# Altium PCB Z693_H93-A_KD01_V1.3_X6.PcbDoc (part 3 of 7)
Units mil, origin at the board's own origin, x right, y up, seen from the top; angles counter-clockwise.
Board outline 6229.44 x 4099.52 mil, 4 copper layers (Top Layer, Mid-Layer 1, Mid-Layer 2, Bottom Layer); 1032 components, 62 nets, 3170 pads, 1350 vias.
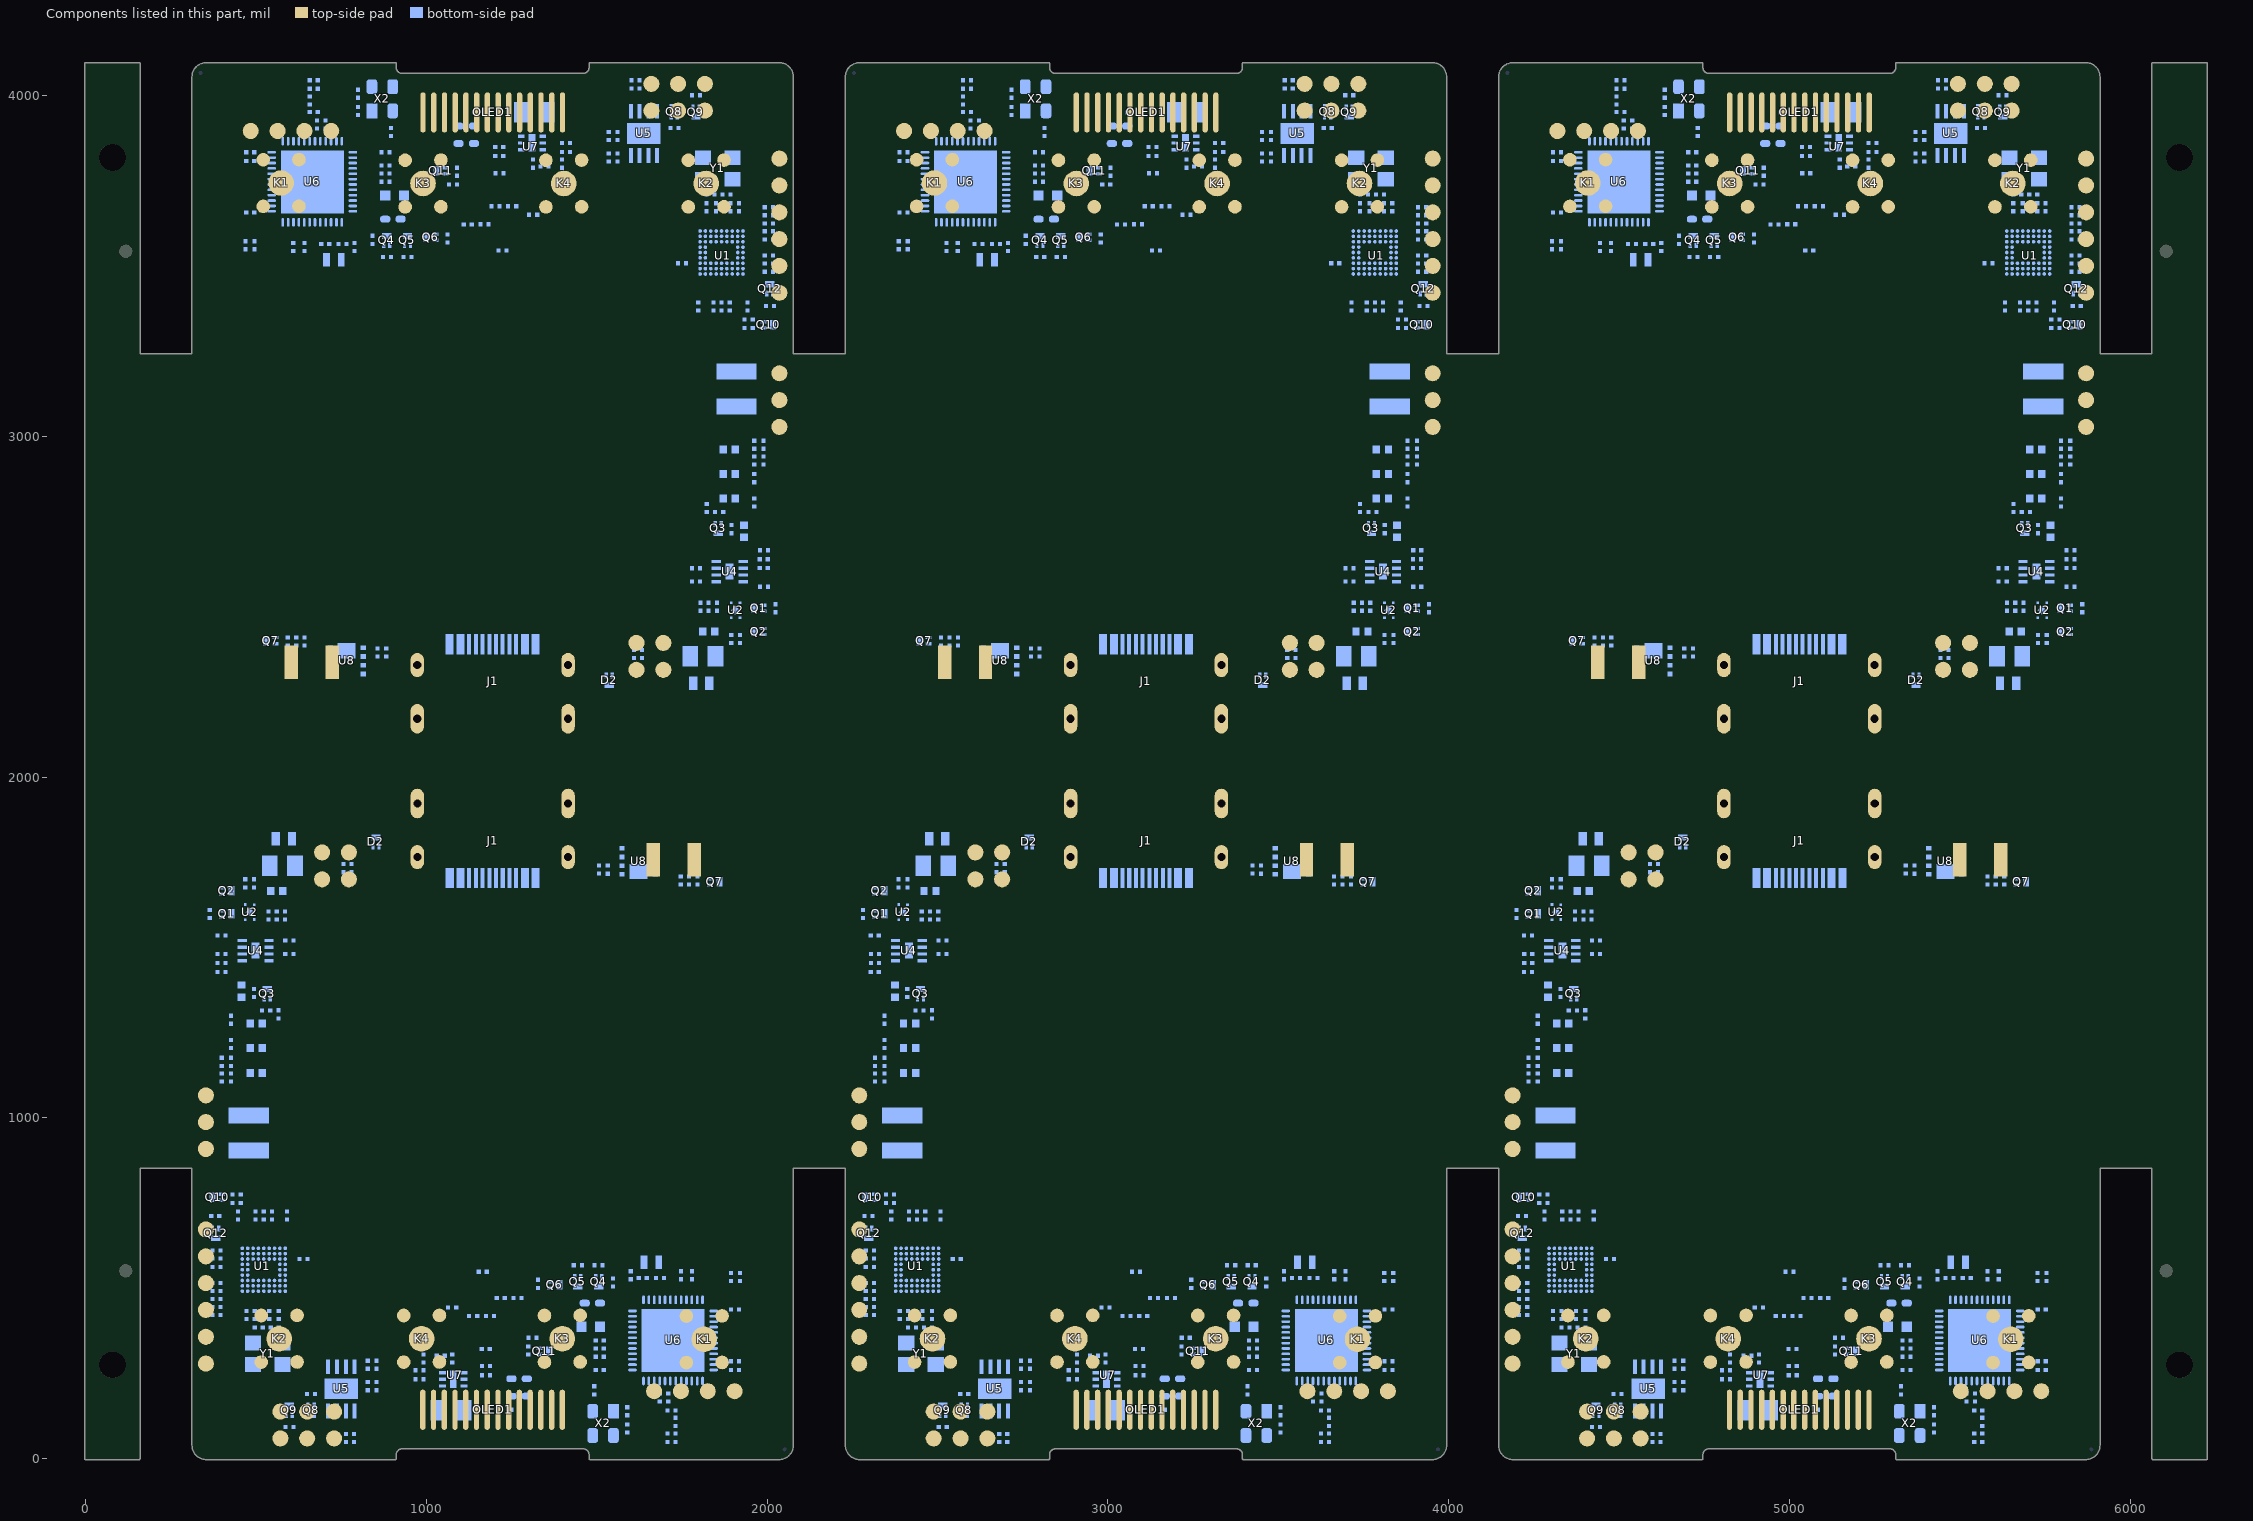
[diagram p5: the components of this part, seen from the top]

## Via types
v1: diameter 15, hole 8, Top Layer to Bottom Layer, tented both sides, 1194 vias
v2: diameter 8, hole 4, Mid-Layer 2 to Bottom Layer, tented bottom, 150 vias
v3: diameter 20, hole 10, Top Layer to Bottom Layer, tented both sides, 6 vias

## Nets (pads, with @x,y where several pads share a name; then routed paths per layer and width w, separated by ;. In a path a pad name is that pad's centre, name@x,y a point inside that pad or via, vN(x,y) a via of type N, cw(c..) or ccw(c..) an arc to the next point about the centre after c; other vN are vias at no path point) (continued)
copper on no net: | length 471246.2
  Top Layer w6: 353.39,279.08 397.13,279.08 459.84,216.38 748.12,216.38 803.39,271.65 803.39,448.07 814.14,458.82 v1(864.8,458.82) ; 353.39,359.74 v1(423.53,429.88) ; 353.39,436.56 353.39,446.56 v1(416.93,510.1) ; 353.39,515.3 364.97,526.88 426.61,526.88 v1(438.59,538.85) ; 353.39,594.04 395.56,551.88 v1(420.77,551.88) ; 353.39,672.78 353.39,670.05 v1(415.88,607.56) ; 353.39,1066.48 390.47,1103.56 v1(483.26,1103.56) 523.39,1063.43 523.39,824.71 627.38,720.72 627.38,664.04 674.05,617.38 906.94,617.38 936.47,587.85 1131.83,587.85 1197.12,522.56 1592.15,522.56 1613.37,543.77 1786.27,543.77 1815.75,514.29 1815.75,350.61 ; v1(358.36,233.9) 425.34,233.9 454.87,204.38 541.88,204.38 ; v1(413.8,711.88) 530.8,711.88 554.3,688.38 554.3,612.11 604.04,562.38 670.91,562.38 704.41,528.88 1173.83,528.88 1192.15,510.56 1597.12,510.56 1618.34,531.77 1768.8,531.77 1784.8,515.77 1784.8,440.27 1763.31,418.78 ; v1(426.8,689.84) 452.83,689.84 480.8,661.88 480.8,627.88 v1(539.01,569.67) 579.77,569.67 610.57,538.88 671.08,538.88 708.95,501.01 888.12,501.01 899.49,512.38 1160.64,512.38 1191.14,481.88 1710.8,481.88 1729.12,500.19 v1(1763.63,500.19) ; v1(478.8,828.88) 502.26,828.88 570.8,760.33 570.8,640.88 606.3,605.38 901.97,605.38 946.57,560.78 v1(1126.96,560.78) ; v1(483.26,1169.94) 535.39,1117.8 535.39,836.05 v1(622.88,748.56) ; v1(498.51,542.58) 498.51,512.88 513.51,497.88 554.8,497.88 573.77,478.91 573.77,443.34 568.26,437.83 568.26,352.1 ; v1(523.26,542.58) 523.26,530.42 538.8,514.88 661.14,514.88 699,477.01 v1(904.43,477.01) ; v1(546.77,542.58) 589.89,542.58 605.6,526.88 666.11,526.88 703.97,489.01 893.09,489.01 899.96,495.88 v1(1060.8,495.88) ; v1(554.39,101.56) 554.39,77.05 571.88,59.56 ; 563.65,3896.49 575.44,3896.49 v1(591.94,3912.99) ; v1@564.88,187.88 650.62,187.88 ; 571.88,138.3 541.88,168.3 541.88,204.38 ; 574.02,3743.88 574.02,3580.2 603.5,3550.72 776.4,3550.72 797.61,3571.93 1192.64,3571.93 1257.93,3506.64 1453.3,3506.64 1482.83,3477.12 1715.72,3477.12 1762.38,3430.45 1762.38,3373.77 1866.37,3269.78 1866.37,3031.06 v1(1906.5,2990.93) 1999.29,2990.93 2036.37,3028.01 ; v1(610.39,3896.49) 642.39,3896.49 ; v1(626.13,3594.3) 660.65,3594.3 678.96,3612.62 1198.63,3612.62 1229.13,3582.12 1490.27,3582.12 1501.64,3593.48 1680.82,3593.48 1718.69,3555.62 1779.2,3555.62 1809.99,3524.82 v1(1850.76,3524.82) 1908.96,3466.62 1908.96,3432.62 1936.93,3404.65 v1(1962.96,3404.65) ; 626.46,3675.71 604.96,3654.22 604.96,3578.72 620.96,3562.72 771.43,3562.72 792.64,3583.93 1197.62,3583.93 1215.93,3565.62 1685.35,3565.62 1718.85,3532.12 1785.73,3532.12 1835.46,3482.38 1835.46,3406.12 1858.96,3382.62 v1(1975.96,3382.62) ; 650.62,138.3 650.62,187.88 ; 729.36,138.3 738.11,129.55 v1(738.11,100.1) ; v1(828.48,244.56) 771.8,187.88 650.62,187.88 ; v1(849.88,146.89) 922.22,74.56 1104.88,74.56 1115.87,85.54 1115.87,143.56 ; v1(854.07,244.56) 837.57,261.06 809.77,261.06 753.09,204.38 541.88,204.38 ; v1(866.38,72.39) 888.22,50.56 1202.88,50.56 1241.85,89.53 1241.85,143.56 ; v1(884.35,89.09) 910.88,62.56 1148.4,62.56 1178.86,93.02 1178.86,143.56 ; v1(962.17,460.51) 986.26,436.42 986.26,352.1 ; 990.5,3742.4 990.5,3658.07 1009.02,3639.56 1065.9,3639.56 1073.97,3647.62 1116.07,3647.62 1144.31,3675.86 v1(1144.31,3753.62) ; v1(997.8,477.01) 1108.67,477.01 1193.3,392.38 1193.3,255.72 1210.35,238.67 1210.35,143.56 ; v1(1012.8,460.51) 1108.2,460.51 1181.3,387.4 1181.3,237.95 1147.36,204 1147.36,143.56 ; v1(1104.88,3529.93) 1104.88,3512.53 v1(1124.76,3492.65) ; v1@1142.13,3753.62 v1@1142.13,3755.79 ; 1147.91,3950.93 1147.91,4004.96 1186.88,4043.93 1501.55,4043.93 v1(1523.38,4022.1) ; 1179.41,3950.93 1179.41,3855.82 1196.46,3838.77 1196.46,3702.12 1281.09,3617.48 v1(1391.96,3617.48) ; 1210.91,3950.93 1210.91,4001.47 1241.36,4031.93 1478.88,4031.93 v1(1505.41,4005.4) ; 1242.4,3950.93 1242.4,3890.49 1208.46,3856.55 1208.46,3707.09 1281.57,3633.98 v1(1376.96,3633.98) ; v1(1245.46,340.88) 1245.46,418.63 1273.7,446.87 1315.8,446.87 1323.86,454.93 1380.75,454.93 1399.26,436.42 1399.26,352.1 ; v1@1247.63,338.7 v1@1247.63,340.88 ; v1(1262.8,3533.72) 1443.2,3533.72 1487.8,3489.12 1783.46,3489.12 1818.96,3453.62 1818.96,3334.16 1887.5,3265.62 v1(1910.96,3265.62) ; v1(1265,601.84) 1284.88,581.96 v1(1284.88,564.56) ; 1273.9,3950.93 1273.9,4008.95 1284.88,4019.93 1467.55,4019.93 v1(1539.88,3947.6) ; v1(1328.96,3598.62) 1489.8,3598.62 1496.67,3605.48 1685.79,3605.48 1723.66,3567.62 1784.17,3567.62 1799.88,3551.91 v1(1843,3551.91) ; 1403.5,3742.4 1403.5,3658.07 v1(1427.59,3633.98) ; v1(1485.34,3617.48) 1690.76,3617.48 1728.63,3579.62 1850.96,3579.62 1866.5,3564.07 v1(1866.5,3551.91) ; v1(1524.96,3635.67) 1575.62,3635.67 1586.37,3646.42 1586.37,3822.84 1641.65,3878.12 1929.93,3878.12 1992.63,3815.41 2036.37,3815.41 ; v1(1535.69,3849.93) 1552.19,3833.43 1579.99,3833.43 1636.68,3890.12 1847.88,3890.12 ; v1(1561.28,3849.93) 1617.97,3906.62 1739.14,3906.62 ; v1(1651.65,3994.39) 1651.65,3964.94 1660.4,3956.19 ; 1739.14,3956.19 1739.14,3906.62 ; 1747.38,198 v1(1779.38,198) ; v1(1766.88,3345.93) 1854.37,3258.44 1854.37,2976.69 v1(1906.5,2924.55) ; v1(1797.82,181.5) 1814.32,198 1826.12,198 ; 1817.88,3956.19 1847.88,3926.19 1847.88,3890.12 ; 1817.88,4034.93 1835.37,4017.44 v1(1835.37,3992.93) ; 1821.5,3742.4 1821.5,3656.66 1816,3651.15 1816,3615.58 1834.96,3596.62 1876.25,3596.62 1891.25,3581.62 v1(1891.25,3551.91) ; v1@1824.88,3906.62 1739.14,3906.62 ; v1(1951.18,3555.64) 1963.15,3567.62 2024.8,3567.62 2036.37,3579.19 ; v1(1966.23,3664.62) 2036.37,3734.75 ; v1(1968.99,3542.62) 1994.21,3542.62 2036.37,3500.45 ; v1(1972.83,3584.4) 2036.37,3647.93 2036.37,3657.93 ; v1(1973.88,3486.93) 2036.37,3424.44 2036.37,3421.71 ; v1(2031.4,3860.59) 1964.43,3860.59 1934.9,3890.12 1847.88,3890.12 ; 2270.72,279.08 2314.46,279.08 2377.16,216.38 2665.44,216.38 2720.72,271.65 2720.72,448.07 2731.47,458.82 v1(2782.13,458.82) ; 2270.72,359.74 v1(2340.86,429.88) ; 2270.72,436.56 2270.72,446.56 v1(2334.25,510.1) ; 2270.72,515.3 2282.29,526.88 2343.94,526.88 v1(2355.91,538.85) ; 2270.72,594.04 2312.88,551.88 v1(2338.1,551.88) ; 2270.72,672.78 2270.72,670.05 v1(2333.21,607.56) ; 2270.72,1066.48 2307.8,1103.56 v1(2400.58,1103.56) 2440.72,1063.43 2440.72,824.71 2544.71,720.72 2544.71,664.04 2591.37,617.38 2824.26,617.38 2853.79,587.85 3049.16,587.85 3114.44,522.56 3509.48,522.56 3530.69,543.77 3703.59,543.77 3733.07,514.29 3733.07,350.61 ; v1(2275.69,233.9) 2342.66,233.9 2372.19,204.38 2459.21,204.38 ; v1(2331.13,711.88) 2448.13,711.88 2471.63,688.38 2471.63,612.11 2521.36,562.38 2588.24,562.38 2621.74,528.88 3091.16,528.88 3109.47,510.56 3514.45,510.56 3535.66,531.77 3686.13,531.77 3702.13,515.77 3702.13,440.27 3680.63,418.78 ; v1(2344.13,689.84) 2370.16,689.84 2398.13,661.88 2398.13,627.88 v1(2456.33,569.67) 2497.1,569.67 2527.89,538.88 2588.4,538.88 2626.27,501.01 2805.45,501.01 2816.81,512.38 3077.96,512.38 3108.46,481.88 3628.13,481.88 3646.44,500.19 v1(3680.95,500.19) ; v1(2396.13,828.88) 2419.59,828.88 2488.13,760.33 2488.13,640.88 2523.63,605.38 2819.29,605.38 2863.89,560.78 v1(3044.29,560.78) ; v1(2400.58,1169.94) 2452.72,1117.8 2452.72,836.05 v1(2540.21,748.56) ; v1(2415.84,542.58) 2415.84,512.88 2430.84,497.88 2472.13,497.88 2491.09,478.91 2491.09,443.34 2485.58,437.83 2485.58,352.1 ; v1(2440.58,542.58) 2440.58,530.42 2456.13,514.88 2578.46,514.88 2616.33,477.01 v1(2821.75,477.01) ; v1(2464.09,542.58) 2507.21,542.58 2522.92,526.88 2583.43,526.88 2621.3,489.01 2810.42,489.01 2817.28,495.88 v1(2978.13,495.88) ; v1(2471.72,101.56) 2471.72,77.05 2489.21,59.56 ; 2480.97,3896.49 2492.76,3896.49 v1(2509.26,3912.99) ; v1@2482.21,187.88 2567.95,187.88 ; 2489.21,138.3 2459.21,168.3 2459.21,204.38 ; 2491.34,3743.88 2491.34,3580.2 2520.82,3550.72 2693.72,3550.72 2714.94,3571.93 3109.97,3571.93 3175.26,3506.64 3370.62,3506.64 3400.15,3477.12 3633.04,3477.12 3679.71,3430.45 3679.71,3373.77 3783.69,3269.78 3783.69,3031.06 v1(3823.83,2990.93) 3916.62,2990.93 3953.69,3028.01 ; v1(2527.71,3896.49) 2559.71,3896.49 ; v1(2543.46,3594.3) 2577.97,3594.3 2596.28,3612.62 3115.95,3612.62 3146.45,3582.12 3407.6,3582.12 3418.97,3593.48 3598.14,3593.48 3636.01,3555.62 3696.52,3555.62 3727.32,3524.82 v1(3768.08,3524.82) 3826.28,3466.62 3826.28,3432.62 3854.25,3404.65 v1(3880.28,3404.65) ; 2543.78,3675.71 2522.28,3654.22 2522.28,3578.72 2538.28,3562.72 2688.75,3562.72 2709.96,3583.93 3114.94,3583.93 3133.26,3565.62 3602.68,3565.62 3636.18,3532.12 3703.05,3532.12 3752.78,3482.38 3752.78,3406.12 3776.28,3382.62 v1(3893.28,3382.62) ; 2567.95,138.3 2567.95,187.88 ; 2646.69,138.3 2655.43,129.55 v1(2655.43,100.1) ; v1(2745.8,244.56) 2689.12,187.88 2567.95,187.88 ; v1(2767.21,146.89) 2839.54,74.56 3022.21,74.56 3033.19,85.54 3033.19,143.56 ; v1(2771.4,244.56) 2754.9,261.06 2727.1,261.06 2670.41,204.38 2459.21,204.38 ; v1(2783.71,72.39) 2805.54,50.56 3120.21,50.56 3159.17,89.53 3159.17,143.56 ; v1(2801.68,89.09) 2828.21,62.56 3065.73,62.56 3096.18,93.02 3096.18,143.56 ; v1(2879.49,460.51) 2903.58,436.42 2903.58,352.1 ; 2907.83,3742.4 2907.83,3658.07 2926.34,3639.56 2983.23,3639.56 2991.29,3647.62 3033.39,3647.62 3061.63,3675.86 v1(3061.63,3753.62) ; v1(2915.13,477.01) 3025.99,477.01 3110.63,392.38 3110.63,255.72 3127.68,238.67 3127.68,143.56 ; v1(2930.13,460.51) 3025.52,460.51 3098.63,387.4 3098.63,237.95 3064.69,204 3064.69,143.56 ; v1(3022.21,3529.93) 3022.21,3512.53 v1(3042.09,3492.65) ; v1@3059.46,3753.62 v1@3059.46,3755.79 ; 3065.24,3950.93 3065.24,4004.96 3104.21,4043.93 3418.87,4043.93 v1(3440.71,4022.1) ; 3096.73,3950.93 3096.73,3855.82 3113.78,3838.77 3113.78,3702.12 3198.42,3617.48 v1(3309.28,3617.48) ; 3128.23,3950.93 3128.23,4001.47 3158.69,4031.93 3396.21,4031.93 v1(3422.74,4005.4) ; 3159.73,3950.93 3159.73,3890.49 3125.78,3856.55 3125.78,3707.09 3198.89,3633.98 v1(3294.28,3633.98) ; v1(3162.78,340.88) 3162.78,418.63 3191.02,446.87 3233.12,446.87 3241.18,454.93 3298.07,454.93 3316.58,436.42 3316.58,352.1 ; v1@3164.96,338.7 v1@3164.96,340.88 ; v1(3180.13,3533.72) 3360.52,3533.72 3405.12,3489.12 3700.78,3489.12 3736.28,3453.62 3736.28,3334.16 3804.83,3265.62 v1(3828.28,3265.62) ; v1(3182.32,601.84) 3202.21,581.96 v1(3202.21,564.56) ; 3191.22,3950.93 3191.22,4008.95 3202.21,4019.93 3384.87,4019.93 v1(3457.21,3947.6) ; v1(3246.28,3598.62) 3407.13,3598.62 3413.99,3605.48 3603.11,3605.48 3640.98,3567.62 3701.49,3567.62 3717.2,3551.91 v1(3760.32,3551.91) ; 3320.83,3742.4 3320.83,3658.07 v1(3344.92,3633.98) ; v1(3402.66,3617.48) 3608.08,3617.48 3645.95,3579.62 3768.28,3579.62 3783.83,3564.07 v1(3783.83,3551.91) ; v1(3442.28,3635.67) 3492.95,3635.67 3503.69,3646.42 3503.69,3822.84 3558.97,3878.12 3847.25,3878.12 3909.95,3815.41 3953.69,3815.41 ; v1(3453.02,3849.93) 3469.52,3833.43 3497.32,3833.43 3554,3890.12 3765.21,3890.12 ; v1(3478.61,3849.93) 3535.29,3906.62 3656.47,3906.62 ; v1(3568.98,3994.39) 3568.98,3964.94 3577.73,3956.19 ; 3656.47,3956.19 3656.47,3906.62 ; 3664.7,198 v1(3696.7,198) ; v1(3684.21,3345.93) 3771.69,3258.44 3771.69,2976.69 v1(3823.83,2924.55) ; v1(3715.15,181.5) 3731.65,198 3743.44,198 ; 3735.21,3956.19 3765.21,3926.19 3765.21,3890.12 ; 3735.21,4034.93 3752.69,4017.44 v1(3752.69,3992.93) ; 3738.83,3742.4 3738.83,3656.66 3733.32,3651.15 3733.32,3615.58 3752.28,3596.62 3793.58,3596.62 3808.58,3581.62 v1(3808.58,3551.91) ; v1@3742.21,3906.62 3656.47,3906.62 ; v1(3868.5,3555.64) 3880.48,3567.62 3942.12,3567.62 3953.69,3579.19 ; v1(3883.56,3664.62) 3953.69,3734.75 ; v1(3886.32,3542.62) 3911.53,3542.62 3953.69,3500.45 ; v1(3890.16,3584.4) 3953.69,3647.93 3953.69,3657.93 ; v1(3891.21,3486.93) 3953.69,3424.44 3953.69,3421.71 ; v1(3948.72,3860.59) 3881.75,3860.59 3852.22,3890.12 3765.21,3890.12 ; 4188.04,279.08 4231.78,279.08 4294.49,216.38 4582.77,216.38 4638.04,271.65 4638.04,448.07 4648.79,458.82 v1(4699.45,458.82) ; 4188.04,359.74 v1(4258.18,429.88) ; 4188.04,436.56 4188.04,446.56 v1(4251.58,510.1) ; 4188.04,515.3 4199.62,526.88 4261.26,526.88 v1(4273.24,538.85) ; 4188.04,594.04 4230.21,551.88 v1(4255.42,551.88) ; 4188.04,672.78 4188.04,670.05 v1(4250.53,607.56) ; 4188.04,1066.48 4225.12,1103.56 v1(4317.91,1103.56) 4358.04,1063.43 4358.04,824.71 4462.03,720.72 4462.03,664.04 4508.7,617.38 4741.59,617.38 4771.11,587.85 4966.48,587.85 5031.77,522.56 5426.8,522.56 5448.01,543.77 5620.91,543.77 5650.4,514.29 5650.4,350.61 ; v1(4193.01,233.9) 4259.99,233.9 4289.52,204.38 4376.53,204.38 ; v1(4248.45,711.88) 4365.45,711.88 4388.95,688.38 4388.95,612.11 4438.69,562.38 4505.56,562.38 4539.06,528.88 5008.48,528.88 5026.8,510.56 5431.77,510.56 5452.98,531.77 5603.45,531.77 5619.45,515.77 5619.45,440.27 5597.96,418.78 ; v1(4261.45,689.84) 4287.48,689.84 4315.45,661.88 4315.45,627.88 v1(4373.66,569.67) 4414.42,569.67 4445.22,538.88 4505.73,538.88 4543.59,501.01 4722.77,501.01 4734.14,512.38 4995.28,512.38 5025.78,481.88 5545.45,481.88 5563.77,500.19 v1(5598.28,500.19) ; v1(4313.45,828.88) 4336.91,828.88 4405.45,760.33 4405.45,640.88 4440.95,605.38 4736.62,605.38 4781.22,560.78 v1(4961.61,560.78) ; v1(4317.91,1169.94) 4370.04,1117.8 4370.04,836.05 v1(4457.53,748.56) ; v1(4333.16,542.58) 4333.16,512.88 4348.16,497.88 4389.45,497.88 4408.42,478.91 4408.42,443.34 4402.91,437.83 4402.91,352.1 ; v1(4357.91,542.58) 4357.91,530.42 4373.45,514.88 4495.79,514.88 4533.65,477.01 v1(4739.08,477.01) ; v1(4381.41,542.58) 4424.54,542.58 4440.25,526.88 4500.76,526.88 4538.62,489.01 4727.74,489.01 4734.61,495.88 v1(4895.45,495.88) ; v1(4389.04,101.56) 4389.04,77.05 4406.53,59.56 ; 4398.29,3896.49 4410.09,3896.49 v1(4426.59,3912.99) ; v1@4399.53,187.88 4485.27,187.88 ; 4406.53,138.3 4376.53,168.3 4376.53,204.38 ; 4408.66,3743.88 4408.66,3580.2 4438.15,3550.72 4611.05,3550.72 4632.26,3571.93 5027.29,3571.93 5092.58,3506.64 5287.95,3506.64 5317.47,3477.12 5550.36,3477.12 5597.03,3430.45 5597.03,3373.77 5701.02,3269.78 5701.02,3031.06 v1(5741.15,2990.93) 5833.94,2990.93 5871.02,3028.01 ; v1(4445.03,3896.49) 4477.03,3896.49 ; v1(4460.78,3594.3) 4495.29,3594.3 4513.61,3612.62 5033.28,3612.62 5063.78,3582.12 5324.92,3582.12 5336.29,3593.48 5515.47,3593.48 5553.33,3555.62 5613.84,3555.62 5644.64,3524.82 v1(5685.4,3524.82) 5743.61,3466.62 5743.61,3432.62 5771.58,3404.65 v1(5797.61,3404.65) ; 4461.1,3675.71 4439.61,3654.22 4439.61,3578.72 4455.61,3562.72 4606.08,3562.72 4627.29,3583.93 5032.26,3583.93 5050.58,3565.62 5520,3565.62 5553.5,3532.12 5620.37,3532.12 5670.11,3482.38 5670.11,3406.12 5693.61,3382.62 v1(5810.61,3382.62) ; 4485.27,138.3 4485.27,187.88 ; 4564.01,138.3 4572.76,129.55 v1(4572.76,100.1) ; v1(4663.13,244.56) 4606.44,187.88 4485.27,187.88 ; v1(4684.53,146.89) 4756.86,74.56 4939.53,74.56 4950.51,85.54 4950.51,143.56 ; v1(4688.72,244.56) 4672.22,261.06 4644.42,261.06 4587.74,204.38 4376.53,204.38 ; v1(4701.03,72.39) 4722.86,50.56 5037.53,50.56 5076.5,89.53 5076.5,143.56 ; v1(4719,89.09) 4745.53,62.56 4983.05,62.56 5013.51,93.02 5013.51,143.56 ; v1(4796.82,460.51) 4820.91,436.42 4820.91,352.1 ; 4825.15,3742.4 4825.15,3658.07 4843.67,3639.56 4900.55,3639.56 4908.61,3647.62 4950.71,3647.62 4978.96,3675.86 v1(4978.96,3753.62) ; v1(4832.45,477.01) 4943.32,477.01 5027.95,392.38 5027.95,255.72 5045,238.67 5045,143.56 ; v1(4847.45,460.51) 4942.85,460.51 5015.95,387.4 5015.95,237.95 4982.01,204 4982.01,143.56 ; v1(4939.53,3529.93) 4939.53,3512.53 v1(4959.41,3492.65) ; v1@4976.78,3753.62 v1@4976.78,3755.79 ; 4982.56,3950.93 4982.56,4004.96 5021.53,4043.93 5336.2,4043.93 v1(5358.03,4022.1) ; 5014.06,3950.93 5014.06,3855.82 5031.11,3838.77 5031.11,3702.12 5115.74,3617.48 v1(5226.61,3617.48) ; 5045.55,3950.93 5045.55,4001.47 5076.01,4031.93 5313.53,4031.93 v1(5340.06,4005.4) ; 5077.05,3950.93 5077.05,3890.49 5043.11,3856.55 5043.11,3707.09 5116.21,3633.98 v1(5211.61,3633.98) ; v1(5080.11,340.88) 5080.11,418.63 5108.35,446.87 5150.45,446.87 5158.51,454.93 5215.4,454.93 5233.91,436.42 5233.91,352.1 ; v1@5082.28,338.7 v1@5082.28,340.88 ; v1(5097.45,3533.72) 5277.85,3533.72 5322.45,3489.12 5618.11,3489.12 5653.61,3453.62 5653.61,3334.16 5722.15,3265.62 v1(5745.61,3265.62) ; v1(5099.65,601.84) 5119.53,581.96 v1(5119.53,564.56) ; 5108.55,3950.93 5108.55,4008.95 5119.53,4019.93 5302.2,4019.93 v1(5374.53,3947.6) ; v1(5163.61,3598.62) 5324.45,3598.62 5331.32,3605.48 5520.44,3605.48 5558.3,3567.62 5618.82,3567.62 5634.52,3551.91 v1(5677.65,3551.91) ; 5238.15,3742.4 5238.15,3658.07 v1(5262.24,3633.98) ; v1(5319.98,3617.48) 5525.41,3617.48 5563.27,3579.62 5685.61,3579.62 5701.15,3564.07 v1(5701.15,3551.91) ; v1(5359.61,3635.67) 5410.27,3635.67 5421.02,3646.42 5421.02,3822.84 5476.29,3878.12 5764.58,3878.12 5827.28,3815.41 5871.02,3815.41 ; v1(5370.34,3849.93) 5386.84,3833.43 5414.64,3833.43 5471.32,3890.12 5682.53,3890.12 ; v1(5395.93,3849.93) 5452.62,3906.62 5573.79,3906.62 ; v1(5486.3,3994.39) 5486.3,3964.94 5495.05,3956.19 ; 5573.79,3956.19 5573.79,3906.62 ; 5582.03,198 v1(5614.03,198) ; v1(5601.53,3345.93) 5689.02,3258.44 5689.02,2976.69 v1(5741.15,2924.55) ; v1(5632.47,181.5) 5648.97,198 5660.77,198 ; 5652.53,3956.19 5682.53,3926.19 5682.53,3890.12 ; 5652.53,4034.93 5670.02,4017.44 v1(5670.02,3992.93) ; 5656.15,3742.4 5656.15,3656.66 5650.64,3651.15 5650.64,3615.58 5669.61,3596.62 5710.9,3596.62 5725.9,3581.62 v1(5725.9,3551.91) ; v1@5659.53,3906.62 5573.79,3906.62 ; v1(5785.82,3555.64) 5797.8,3567.62 5859.44,3567.62 5871.02,3579.19 ; v1(5800.88,3664.62) 5871.02,3734.75 ; v1(5803.64,3542.62) 5828.85,3542.62 5871.02,3500.45 ; v1(5807.48,3584.4) 5871.02,3647.93 5871.02,3657.93 ; v1(5808.53,3486.93) 5871.02,3424.44 5871.02,3421.71 ; v1(5866.05,3860.59) 5799.07,3860.59 5769.55,3890.12 5682.53,3890.12
  Top Layer w8: 603.79,2336.74 603.79,2291.93 v1(650.88,2291.93) ; v1(674.74,2291.93) 721.84,2291.93 721.84,2336.74 ; 772.88,1700.5 793.48,1721.1 v1(843.54,1721.1) v1(843.54,1766.81) ; 772.88,1779.24 772.88,1773.1 v1(800.88,1745.1) ; v1(1165.42,1660.1) v1(1204.79,1660.1) ; v1(1184.98,2434.4) v1(1224.35,2434.4) ; v1(1546.22,2327.68) v1(1546.22,2373.4) 1596.28,2373.4 1616.88,2393.99 ; v1(1588.88,2349.4) 1616.88,2321.4 1616.88,2315.25 ; 1667.93,1757.75 1667.93,1802.56 v1(1715.02,1802.56) ; v1(1738.88,1802.56) 1785.98,1802.56 1785.98,1757.75 ; 2521.11,2336.74 2521.11,2291.93 v1(2568.21,2291.93) ; v1(2592.06,2291.93) 2639.16,2291.93 2639.16,2336.74 ; 2690.21,1700.5 2710.81,1721.1 v1(2760.87,1721.1) v1(2760.87,1766.81) ; 2690.21,1779.24 2690.21,1773.1 v1(2718.21,1745.1) ; v1(3082.74,1660.1) v1(3122.11,1660.1) ; v1(3102.3,2434.4) v1(3141.67,2434.4) ; v1(3463.55,2327.68) v1(3463.55,2373.4) 3513.61,2373.4 3534.21,2393.99 ; v1(3506.21,2349.4) 3534.21,2321.4 3534.21,2315.25 ; 3585.25,1757.75 3585.25,1802.56 v1(3632.35,1802.56) ; v1(3656.21,1802.56) 3703.3,1802.56 3703.3,1757.75 ; 4438.44,2336.74 4438.44,2291.93 v1(4485.53,2291.93) ; v1(4509.39,2291.93) 4556.48,2291.93 4556.48,2336.74 ; 4607.53,1700.5 4628.13,1721.1 v1(4678.19,1721.1) v1(4678.19,1766.81) ; 4607.53,1779.24 4607.53,1773.1 v1(4635.53,1745.1) ; v1(5000.07,1660.1) v1(5039.44,1660.1) ; v1(5019.62,2434.4) v1(5059,2434.4) ; v1(5380.87,2327.68) v1(5380.87,2373.4) 5430.93,2373.4 5451.53,2393.99 ; v1(5423.53,2349.4) 5451.53,2321.4 5451.53,2315.25 ; 5502.58,1757.75 5502.58,1802.56 v1(5549.67,1802.56) ; v1(5573.53,1802.56) 5620.63,1802.56 5620.63,1757.75
  Top Layer w10: v1(400.26,1560.1) v1(400.26,1632.1) ; v1(1989.5,2462.4) v1(1989.5,2534.4) ; v1(2317.58,1560.1) v1(2317.58,1632.1) ; v1(3906.83,2462.4) v1(3906.83,2534.4) ; v1(4234.91,1560.1) v1(4234.91,1632.1) ; v1(5824.15,2462.4) v1(5824.15,2534.4)